# Altium PCB mach PCB.PcbDoc (part 1 of 6) (continued)
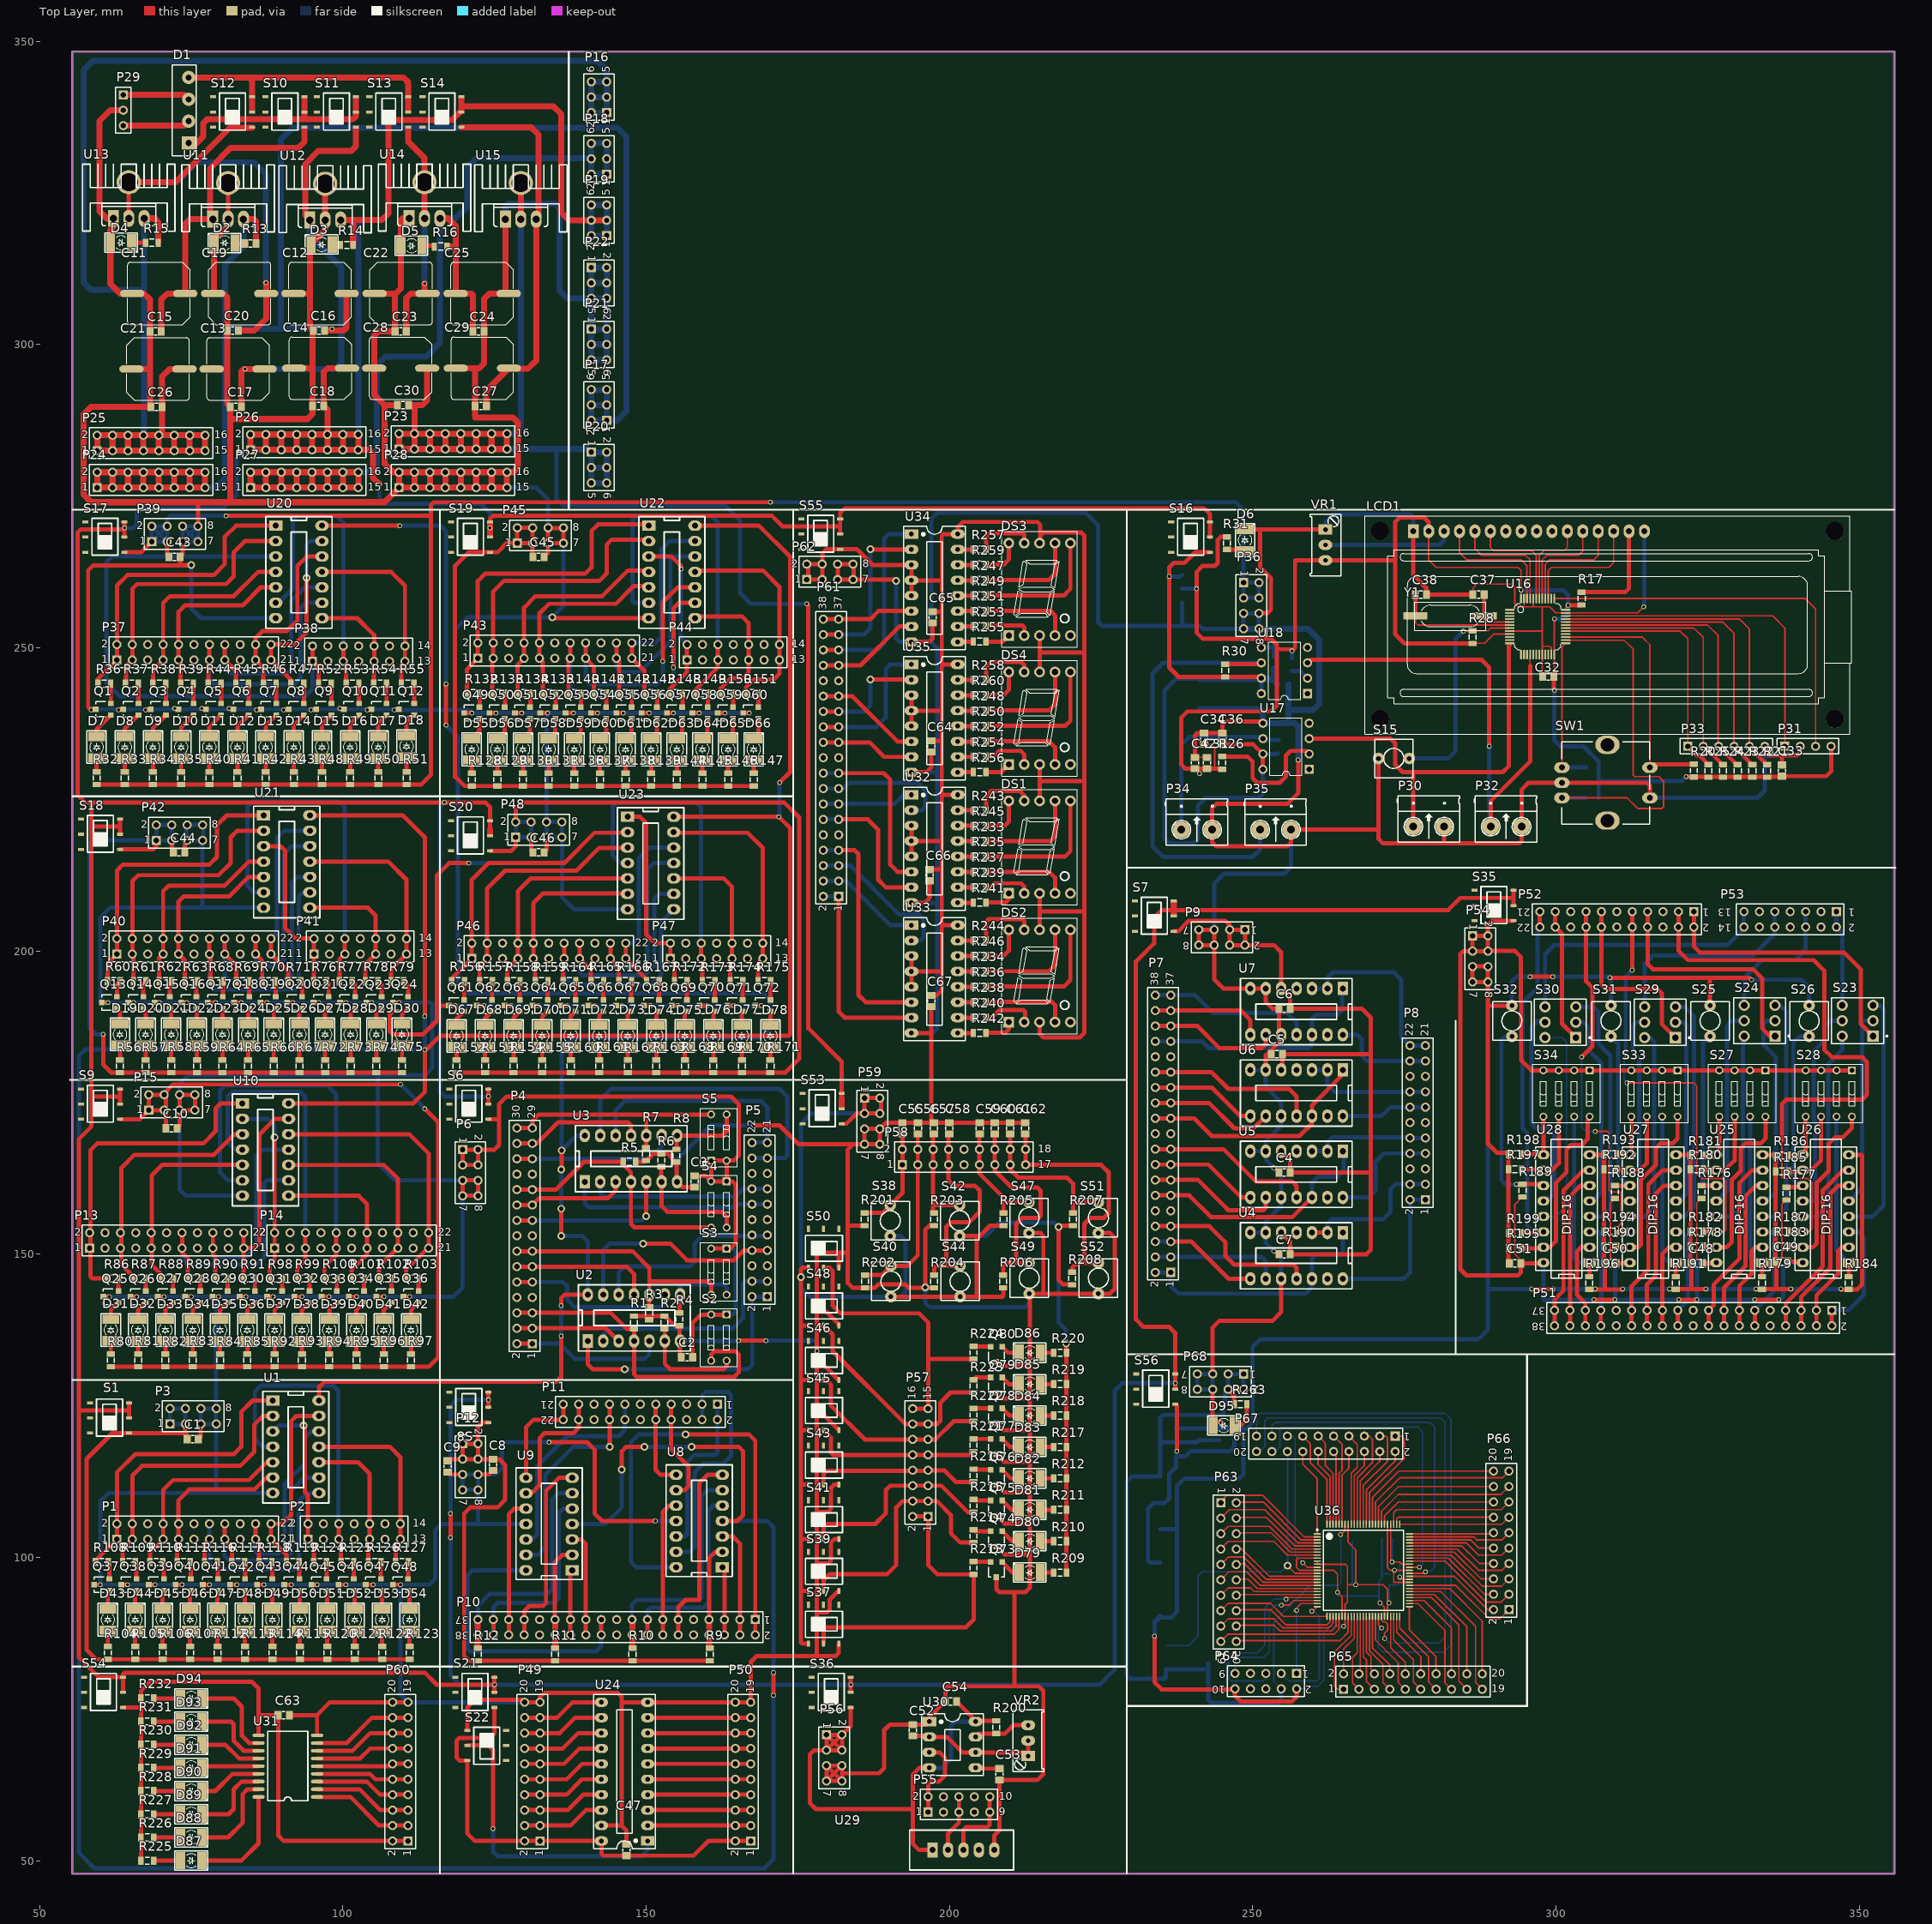
[diagram p0: Top Layer view]
## Components (designator, comment, footprint, x,y, rotation, side; value= is the part's Value field where it differs from the comment) (continued)
P10 "Header 19X2" HDR2X19 168,89.75 r180 top
P11 "Header 11X2" HDR2X11 161.75,125.25 r180 top
P12 "Header 4X2" HDR2X4 119.75,118.75 r270 top
P13 "Header 11X2" HDR2X11 58.25,151 r0 top
P14 "Header 11X2" HDR2X11 88.75,151 r0 top
P15 "Header 4X2" HDR2X4 68,173.75 r0 top
P16 "Header 3X2" HDR2X3 143.5,338.25 r90 top
P17 "Header 3X2" HDR2X3 143.5,287.491 r90 top
P18 "Header 3X2" HDR2X3 143.5,328.098 r90 top
P19 "Header 3X2" HDR2X3 143.5,317.947 r90 top
P20 "Header 3X2" HDR2X3 140.96,282.25 r270 top
P21 "Header 3X2" HDR2X3 140.96,302.553 r270 top
P22 "Header 3X2" HDR2X3 140.96,312.705 r270 top
P23 "Header 8X2" HDR2X8 109.278,282.762 r0 top
P24 "Header 8X2" HDR2X8 59.494,276.412 r0 top
P25 "Header 8X2" HDR2X8 59.494,282.508 r0 top
P26 "Header 8X2" HDR2X8 84.767,282.635 r0 top
P27 "Header 8X2" HDR2X8 84.767,276.412 r0 top
P28 "Header 8X2" HDR2X8 109.278,276.412 r0 top
P29 "H3" HDR1X3 63.812,341.182 r270 top
P30 "KF301" hed2 276.5,220.5 r0 top
P31 "H4" HDR1X4 337.75,233.75 r0 top
P32 "KF301" hed2 289.25,220.5 r0 top
P33 "SW-5Way" HDR1X6 321.75,233.75 r0 top
P34 "KF301" hed2 238.25,220 r0 top
P35 "KF301" hed2 251.25,220 r0 top
P36 "Header 4X2" HDR2X4 248.5,260.75 r270 top
P37 "Header 11X2" HDR2X11 62.75,248 r0 top
P38 "H7X2" HDR2X7 95,247.75 r0 top
P39 "Header 4X2" HDR2X4 68.5,267.5 r0 top
P40 "Header 11X2" HDR2X11 62.75,199.5 r0 top
P41 "H7X2" HDR2X7 95.25,199.5 r0 top
P42 "Header 4X2" HDR2X4 69.25,218.25 r0 top
P43 "Header 11X2" HDR2X11 122.25,248.25 r0 top
P44 "H7X2" HDR2X7 156.75,248 r0 top
P45 "Header 4X2" HDR2X4 128.75,267.25 r0 top
P46 "Header 11X2" HDR2X11 121.25,198.75 r0 top
P47 "H7X2" HDR2X7 154,198.75 r0 top
P48 "Header 4X2" HDR2X4 128.5,218.75 r0 top
P49 "H10X2" HDR2X10 132.5,53.25 r90 top
P50 "H10X2" HDR2X10 167.25,53.25 r90 top
P51 "Header 19X2" HDR2X19 345.5,140.75 r180 top
P52 "Header 11X2" HDR2X11 322.75,206.5 r180 top
P53 "Header 7X2" HDR2X7 346.25,206.5 r180 top
P54 "Header 4X2" HDR2X4 286.25,202.5 r270 top
P55 "Header 5X2" HDR2X5 196.5,58 r0 top
P56 "Header 4X2" HDR2X4 179.75,70.75 r270 top
P57 "Header 8X2" HDR2X8 196.5,106.75 r90 top
P58 "Header 9X2" HDR2X9 192.25,164.75 r0 top
P59 "Header 4X2" HDR2X4 186,175.75 r270 top
P60 "H10X2" HDR2X10 110.75,53.25 r90 top
P61 "Header 19X2" HDR2X19 181.75,209 r90 top
P62 "Header 4X2" HDR2X4 176.5,261.25 r0 top
P63 "H2" HDR2X10 244.75,109 r270 top
P64 "IDE5x2" HDR2X5 257.25,80.88 r180 top
P65 "H2" HDR2X10 265,78.25 r0 top
P66 "H2" HDR2X10 292.25,91.38 r90 top
P67 "H2" HDR2X10 273.5,120 r180 top
P68 "Header 4X2" HDR2X4 248.5,130.25 r180 top
Q1 "C1815-SMD" SOT23-321 60.5,239.859 r90 top
Q2 "C1815-SMD" SOT23-321 65.045,239.859 r90 top
Q3 "C1815-SMD" SOT23-321 69.591,239.859 r90 top
Q4 "C1815-SMD" SOT23-321 74.136,239.859 r90 top
Q5 "C1815-SMD" SOT23-321 78.682,239.859 r90 top
Q6 "C1815-SMD" SOT23-321 83.227,239.859 r90 top
Q7 "C1815-SMD" SOT23-321 87.773,239.859 r90 top
Q8 "C1815-SMD" SOT23-321 92.318,239.859 r90 top
Q9 "C1815-SMD" SOT23-321 96.864,239.859 r90 top
Q10 "C1815-SMD" SOT23-321 101.409,239.859 r90 top
Q11 "C1815-SMD" SOT23-321 105.955,239.859 r90 top
Q12 "C1815-SMD" SOT23-321 110.5,239.859 r90 top
Q13 "C1815-SMD" SOT23-321 61.5,191.5 r90 top
Q14 "C1815-SMD" SOT23-321 65.864,191.5 r90 top
Q15 "C1815-SMD" SOT23-321 70.227,191.5 r90 top
Q16 "C1815-SMD" SOT23-321 74.591,191.5 r90 top
Q17 "C1815-SMD" SOT23-321 78.955,191.5 r90 top
Q18 "C1815-SMD" SOT23-321 83.318,191.5 r90 top
Q19 "C1815-SMD" SOT23-321 87.682,191.5 r90 top
Q20 "C1815-SMD" SOT23-321 92.045,191.5 r90 top
Q21 "C1815-SMD" SOT23-321 96.409,191.5 r90 top
Q22 "C1815-SMD" SOT23-321 100.773,191.5 r90 top
Q23 "C1815-SMD" SOT23-321 105.136,191.5 r90 top
Q24 "C1815-SMD" SOT23-321 109.5,191.5 r90 top
Q25 "C1815-SMD" SOT23-321 61.75,143 r90 top
Q26 "C1815-SMD" SOT23-321 66.25,143 r90 top
Q27 "C1815-SMD" SOT23-321 70.75,143 r90 top
Q28 "C1815-SMD" SOT23-321 75.25,143 r90 top
Q29 "C1815-SMD" SOT23-321 79.75,143 r90 top
Q30 "C1815-SMD" SOT23-321 84.25,143 r90 top
Q31 "C1815-SMD" SOT23-321 88.75,143 r90 top
Q32 "C1815-SMD" SOT23-321 93.25,143 r90 top
Q33 "C1815-SMD" SOT23-321 97.75,143 r90 top
Q34 "C1815-SMD" SOT23-321 102.25,143 r90 top
Q35 "C1815-SMD" SOT23-321 106.75,143 r90 top
Q36 "C1815-SMD" SOT23-321 111.25,143 r90 top
Q37 "C1815-SMD" SOT23-321 60.25,95.5 r90 top
Q38 "C1815-SMD" SOT23-321 64.727,95.5 r90 top
Q39 "C1815-SMD" SOT23-321 69.25,95.5 r90 top
Q40 "C1815-SMD" SOT23-321 73.682,95.5 r90 top
Q41 "C1815-SMD" SOT23-321 78.159,95.5 r90 top
Q42 "C1815-SMD" SOT23-321 82.636,95.5 r90 top
Q43 "C1815-SMD" SOT23-321 87.114,95.5 r90 top
Q44 "C1815-SMD" SOT23-321 91.591,95.5 r90 top
Q45 "C1815-SMD" SOT23-321 96.068,95.5 r90 top
Q46 "C1815-SMD" SOT23-321 100.545,95.5 r90 top
Q47 "C1815-SMD" SOT23-321 105.023,95.5 r90 top
Q48 "C1815-SMD" SOT23-321 109.5,95.5 r90 top
Q49 "C1815-SMD" SOT23-321 121.25,239.25 r90 top
Q50 "C1815-SMD" SOT23-321 125.432,239.25 r90 top
Q51 "C1815-SMD" SOT23-321 129.614,239.25 r90 top
Q52 "C1815-SMD" SOT23-321 133.795,239.25 r90 top
Q53 "C1815-SMD" SOT23-321 137.977,239.25 r90 top
Q54 "C1815-SMD" SOT23-321 142.159,239.25 r90 top
Q55 "C1815-SMD" SOT23-321 146.341,239.25 r90 top
Q56 "C1815-SMD" SOT23-321 150.523,239.25 r90 top
Q57 "C1815-SMD" SOT23-321 154.705,239.25 r90 top
Q58 "C1815-SMD" SOT23-321 158.886,239.25 r90 top
Q59 "C1815-SMD" SOT23-321 163.068,239.25 r90 top
Q60 "C1815-SMD" SOT23-321 167.25,239.25 r90 top
Q61 "C1815-SMD" SOT23-321 118.75,191 r90 top
Q62 "C1815-SMD" SOT23-321 123.341,191 r90 top
Q63 "C1815-SMD" SOT23-321 127.932,191 r90 top
Q64 "C1815-SMD" SOT23-321 132.523,191 r90 top
Q65 "C1815-SMD" SOT23-321 137.114,191 r90 top
Q66 "C1815-SMD" SOT23-321 141.705,191 r90 top
Q67 "C1815-SMD" SOT23-321 146.295,191 r90 top
Q68 "C1815-SMD" SOT23-321 150.886,191 r90 top
Q69 "C1815-SMD" SOT23-321 155.477,191 r90 top
Q70 "C1815-SMD" SOT23-321 160.068,191 r90 top
Q71 "C1815-SMD" SOT23-321 164.659,191 r90 top
Q72 "C1815-SMD" SOT23-321 169.25,191 r90 top
Q73 "C1815-SMD" SOT23-321 207.75,98 r180 top
Q74 "C1815-SMD" SOT23-321 207.75,103.071 r180 top
Q75 "C1815-SMD" SOT23-321 207.75,108.143 r180 top
Q76 "C1815-SMD" SOT23-321 207.75,113.214 r180 top
Q77 "C1815-SMD" SOT23-321 207.75,118.286 r180 top
Q78 "C1815-SMD" SOT23-321 207.75,123.357 r180 top
Q79 "C1815-SMD" SOT23-321 207.75,128.429 r180 top
Q80 "C1815-SMD" SOT23-321 207.75,133.5 r180 top
R1 "10K" r-0805 148,138.75 r270 top
R2 "10K" r-0805 153,138.75 r270 top
R3 "10K" r-0805 150.5,140.25 r90 top
R4 "10K" r-0805 155.5,139.25 r90 top
R5 "10K" r-0805 147.25,165.25 r180 top
R6 "10K" r-0805 152.5,165.5 r270 top
R7 "10K" r-0805 150,166.5 r90 top
R8 "10K" r-0805 155,166.25 r90 top
R9 "10K" r-0805 160.5,84 r270 top
R10 "10K" r-0805 147.75,84 r270 top
R11 "10K" r-0805 135,84 r270 top
R12 "10K" r-0805 122.25,84 r270 top
R13 "332" C-0805 84.767,316.671 r180 top
R14 "331" R-0805 100.642,316.417 r180 top
R15 "332" R-0805 68.511,316.798 r180 top
R16 "331" R-0805 116.136,316.163 r180 top
R17 "220R" r-0805 304.25,258.116 r90 top
R18 "Res1" r-0805 306,225.25 r0 bottom
R19 "Res1" r-0805 306,230.25 r0 bottom
R20 "Res1" r-0805 322.75,229.75 r270 top
R21 "Res1" r-0805 334.8,229.7 r90 top
R22 "Res1" r-0805 332.39,229.7 r90 top
R23 "Res1" r-0805 329.98,229.7 r90 top
R24 "Res1" r-0805 327.57,229.7 r90 top
R25 "Res1" r-0805 325.16,229.7 r90 top
R26 "47R" r-0805 245,231.025 r90 top
R27 "Res1" r-0805 254.25,233.75 r90 bottom
R28 "Res1" r-0805 286.25,251.75 r270 top
R29 "47R" r-0805 256.5,247.25 r270 bottom
R30 "Res1" r-0805 245.5,246.25 r90 top
R31 "331" r-0805 245.75,267.25 r270 top
R32 "330R" R-0805 59.403,228.5 r270 top
R33 "330R" R-0805 64.048,228.5 r270 top
R34 "330R" R-0805 68.693,228.5 r270 top
R35 "330R" R-0805 73.339,228.5 r270 top
R36 "1K" R-0805 60.653,244.066 r180 top
R37 "1K" R-0805 65.202,244.066 r180 top
R38 "1K" R-0805 69.751,244.066 r180 top
R39 "1K" R-0805 74.3,244.066 r180 top
R40 "330R" R-0805 77.984,228.5 r270 top
R41 "330R" R-0805 82.629,228.5 r270 top
R42 "330R" R-0805 87.274,228.5 r270 top
R43 "330R" R-0805 91.919,228.5 r270 top
R44 "1K" R-0805 78.849,244.066 r180 top
R45 "1K" R-0805 83.398,244.066 r180 top
R46 "1K" R-0805 87.946,244.066 r180 top
R47 "1K" R-0805 92.495,244.066 r180 top
R48 "330R" R-0805 96.564,228.5 r270 top
R49 "330R" R-0805 101.21,228.5 r270 top
R50 "330R" R-0805 105.855,228.5 r270 top
R51 "330R" R-0805 110.5,228.5 r270 top
R52 "1K" R-0805 97.044,244.066 r180 top
R53 "1K" R-0805 101.593,244.066 r180 top
R54 "1K" R-0805 106.142,244.066 r180 top
R55 "1K" R-0805 110.691,244.066 r180 top
R56 "330R" R-0805 63.25,181 r270 top
R57 "330R" R-0805 67.477,181 r270 top
R58 "330R" R-0805 71.705,181 r270 top
R59 "330R" R-0805 75.932,181 r270 top
R60 "1K" R-0805 62.25,195 r180 top
R61 "1K" R-0805 66.5,195 r180 top
R62 "1K" R-0805 70.75,195 r180 top
R63 "1K" R-0805 75,195 r180 top
R64 "330R" R-0805 80.159,181 r270 top
R65 "330R" R-0805 84.386,181 r270 top
R66 "330R" R-0805 88.614,181 r270 top
R67 "330R" R-0805 92.841,181 r270 top
R68 "1K" R-0805 79.25,195 r180 top
R69 "1K" R-0805 83.5,195 r180 top
R70 "1K" R-0805 87.75,195 r180 top
R71 "1K" R-0805 92,195 r180 top
R72 "330R" R-0805 97.068,181 r270 top
R73 "330R" R-0805 101.295,181 r270 top
R74 "330R" R-0805 105.523,181 r270 top
R75 "330R" R-0805 109.75,181 r270 top
R76 "1K" R-0805 96.25,195 r180 top
R77 "1K" R-0805 100.5,195 r180 top
R78 "1K" R-0805 104.75,195 r180 top
R79 "1K" R-0805 109,195 r180 top
R80 "330R" R-0805 61.75,132.5 r270 top
R81 "330R" R-0805 66.25,132.5 r270 top
R82 "330R" R-0805 70.75,132.5 r270 top
R83 "330R" R-0805 75.25,132.5 r270 top
R84 "330R" R-0805 79.75,132.5 r270 top
R85 "330R" R-0805 84.25,132.5 r270 top
R86 "1K" R-0805 62,146 r180 top
R87 "1K" R-0805 66.5,146 r180 top
R88 "1K" R-0805 71,146 r180 top
R89 "1K" R-0805 75.5,146 r180 top
R90 "1K" R-0805 80,146 r180 top
R91 "1K" R-0805 84.5,146 r180 top
R92 "330R" R-0805 88.75,132.5 r270 top
R93 "330R" R-0805 93.25,132.5 r270 top
R94 "330R" R-0805 97.75,132.5 r270 top
R95 "330R" R-0805 102.25,132.5 r270 top
R96 "330R" R-0805 106.75,132.5 r270 top
R97 "330R" R-0805 111.25,132.5 r270 top
R98 "1K" R-0805 89,146 r180 top
R99 "1K" R-0805 93.5,146 r180 top
R100 "1K" R-0805 98,146 r180 top
R101 "1K" R-0805 102.5,146 r180 top
R102 "1K" R-0805 107,146 r180 top
R103 "1K" R-0805 111.5,146 r180 top
R104 "330R" R-0805 61.25,84.25 r270 top
R105 "330R" R-0805 65.773,84.25 r270 top
R106 "330R" R-0805 70.295,84.25 r270 top
R107 "330R" R-0805 74.818,84.25 r270 top
R108 "1K" R-0805 60.25,99.25 r180 top
R109 "1K" R-0805 64.75,99.25 r180 top
R110 "1K" R-0805 69.25,99.25 r180 top
R111 "1K" R-0805 73.75,99.25 r180 top
R112 "330R" R-0805 79.341,84.25 r270 top
R113 "330R" R-0805 83.864,84.25 r270 top
R114 "330R" R-0805 88.386,84.25 r270 top
R115 "330R" R-0805 92.909,84.25 r270 top
R116 "1K" R-0805 78.25,99.25 r180 top
R117 "1K" R-0805 82.75,99.25 r180 top
R118 "1K" R-0805 87.25,99.25 r180 top
R119 "1K" R-0805 91.75,99.25 r180 top
R120 "330R" R-0805 97.432,84.25 r270 top
R121 "330R" R-0805 101.955,84.25 r270 top
R122 "330R" R-0805 106.477,84.25 r270 top
R123 "330R" R-0805 111,84.25 r270 top
R124 "1K" R-0805 96.25,99.25 r180 top
R125 "1K" R-0805 100.75,99.25 r180 top
R126 "1K" R-0805 105.25,99.25 r180 top
R127 "1K" R-0805 109.75,99.25 r180 top
R128 "330R" R-0805 121.25,228.25 r270 top
R129 "330R" R-0805 125.477,228.25 r270 top
R130 "330R" R-0805 129.705,228.25 r270 top
R131 "330R" R-0805 133.932,228.25 r270 top
R132 "1K" R-0805 121.5,242.5 r180 top
R133 "1K" R-0805 125.682,242.5 r180 top
R134 "1K" R-0805 129.864,242.5 r180 top
R135 "1K" R-0805 134.045,242.5 r180 top
R136 "330R" R-0805 138.159,228.25 r270 top
R137 "330R" R-0805 142.386,228.25 r270 top
R138 "330R" R-0805 146.614,228.25 r270 top
R139 "330R" R-0805 150.841,228.25 r270 top
R140 "1K" R-0805 138.227,242.5 r180 top
R141 "1K" R-0805 142.409,242.5 r180 top
R142 "1K" R-0805 146.591,242.5 r180 top
R143 "1K" R-0805 150.773,242.5 r180 top
R144 "330R" R-0805 155.068,228.25 r270 top
R145 "330R" R-0805 159.295,228.25 r270 top
R146 "330R" R-0805 163.523,228.25 r270 top
R147 "330R" R-0805 167.75,228.25 r270 top
R148 "1K" R-0805 154.955,242.5 r180 top
R149 "1K" R-0805 159.136,242.5 r180 top
R150 "1K" R-0805 163.318,242.5 r180 top
R151 "1K" R-0805 167.5,242.5 r180 top
R152 "330R" R-0805 118.75,181 r270 top
R153 "330R" R-0805 123.455,181 r270 top
R154 "330R" R-0805 128.159,181 r270 top
R155 "330R" R-0805 132.864,181 r270 top
R156 "1K" R-0805 119,195 r180 top
R157 "1K" R-0805 123.591,195 r180 top
R158 "1K" R-0805 128.182,195 r180 top
R159 "1K" R-0805 132.773,195 r180 top
R160 "330R" R-0805 137.568,181 r270 top
R161 "330R" R-0805 142.273,181 r270 top
R162 "330R" R-0805 146.977,181 r270 top
R163 "330R" R-0805 151.682,181 r270 top
R164 "1K" R-0805 137.364,195 r180 top
R165 "1K" R-0805 141.955,195 r180 top
R166 "1K" R-0805 146.545,195 r180 top
R167 "1K" R-0805 151.136,195 r180 top
R168 "330R" R-0805 156.386,181 r270 top
R169 "330R" R-0805 161.091,181 r270 top
R170 "330R" R-0805 165.795,181 r270 top
R171 "330R" R-0805 170.5,181 r270 top
R172 "1K" R-0805 155.727,195 r180 top
R173 "1K" R-0805 160.318,195 r180 top
R174 "1K" R-0805 164.909,195 r180 top
R175 "1K" R-0805 169.5,195 r180 top
R176 "10K" r-0805 324,160.25 r270 top
R177 "10K" r-0805 338,160 r270 top
R178 "103" r-0805 323.225,151.25 r0 top
R179 "103" r-0805 334,145.25 r90 top
R180 "103" r-0805 323.225,164 r0 top
R181 "10K" r-0805 323.225,166.25 r0 top
R182 "10K" r-0805 323.225,153.75 r0 top
R183 "103" r-0805 337.275,151.27 r0 top
R184 "103" r-0805 348.25,145.25 r90 top
R185 "103" r-0805 337.275,163.625 r0 top
R186 "10K" r-0805 337.275,166.25 r0 top
R187 "10K" r-0805 337.275,153.75 r0 top
R188 "10K" r-0805 309.75,160.25 r270 top
R189 "10K" r-0805 294.5,160.5 r270 top
R190 "103" r-0805 308.975,151.25 r0 top
R191 "103" r-0805 319.75,145.25 r90 top
R192 "103" r-0805 308.975,164 r0 top
R193 "10K" r-0805 308.975,166.5 r0 top
R194 "10K" r-0805 308.975,153.75 r0 top
R195 "103" r-0805 293.25,150.98 r0 top
R196 "103" r-0805 305.5,145.25 r90 top
R197 "103" r-0805 293.25,164 r0 top
R198 "10K" r-0805 293.25,166.5 r0 top
R199 "10K" r-0805 293.25,153.5 r0 top
R200 "562" R-0805 207.75,72 r90 top
R201 "10K" r-0805 186,155.75 r90 top
R202 "10K" r-0805 186.107,145.5 r90 top
R203 "10K" r-0805 197.464,155.75 r90 top
R204 "10K" r-0805 197.488,145.5 r90 top
R205 "10K" r-0805 208.929,155.75 r270 top
R206 "10K" r-0805 208.869,145.5 r270 top
R207 "10K" r-0805 220.393,155.75 r270 top
R208 "10K" r-0805 220.25,146 r270 top
R209 "221" R-0805 218.25,97.5 r0 top
R210 "221" R-0805 218.25,102.679 r0 top
R211 "221" R-0805 218.25,107.857 r0 top
R212 "221" R-0805 218.25,113.036 r0 top
R213 "1K" R-0805 204,98.25 r270 top
R214 "1K" R-0805 204,103.5 r270 top
R215 "1K" R-0805 204,108.5 r270 top
R216 "1K" R-0805 204,113.5 r270 top
R217 "221" R-0805 218.25,118.214 r0 top
R218 "221" R-0805 218.25,123.393 r0 top
R219 "221" R-0805 218.25,128.571 r0 top
R220 "221" R-0805 218.25,133.75 r0 top
R221 "1K" R-0805 204,118.5 r270 top
R222 "1K" R-0805 204,123.5 r270 top
R223 "1K" R-0805 204,128.25 r270 top
R224 "1K" R-0805 204,133.75 r270 top
R225 "330R" R-0805 67.75,50 r180 top
R226 "330R" R-0805 67.75,53.821 r180 top
R227 "330R" R-0805 67.75,57.643 r180 top
R228 "330R" R-0805 67.75,61.464 r180 top
R229 "330R" R-0805 67.75,65.286 r180 top
R230 "330R" R-0805 67.75,69.107 r180 top
R231 "330R" R-0805 67.75,72.929 r180 top
R232 "330R" R-0805 67.75,76.75 r180 top
R233 "220R" r-0805 205,218.12 r0 top
R234 "220R" r-0805 205,196.667 r0 top
R235 "220R" r-0805 205,215.59 r0 top
R236 "220R" r-0805 205,194.125 r0 top
R237 "220R" r-0805 205,213.06 r0 top
R238 "220R" r-0805 205,191.583 r0 top
R239 "220R" r-0805 205,210.53 r0 top
R240 "220R" r-0805 205,189.042 r0 top
R241 "220R" r-0805 205,208 r0 top
R242 "220R" r-0805 205,186.5 r0 top
R243 "220R" r-0805 205,223.18 r0 top
R244 "220R" r-0805 205,201.75 r0 top
R245 "220R" r-0805 205,220.65 r0 top
R246 "220R" r-0805 205,199.208 r0 top
R247 "220R" r-0805 205,261.167 r0 top
R248 "220R" r-0805 205,239.667 r0 top
R249 "220R" r-0805 205,258.625 r0 top
R250 "220R" r-0805 205,237.125 r0 top
R251 "220R" r-0805 205,256.083 r0 top
R252 "220R" r-0805 205,234.583 r0 top
R253 "220R" r-0805 205,253.542 r0 top
R254 "220R" r-0805 205,232.042 r0 top
R255 "220R" r-0805 205,251 r0 top
R256 "220R" r-0805 205,229.5 r0 top
R257 "220R" r-0805 205,266.25 r0 top
R258 "220R" r-0805 205,244.75 r0 top
R259 "220R" r-0805 205,263.708 r0 top
R260 "220R" r-0805 205,242.208 r0 top
R261 "10K" r-0805 243.75,82.5 r0 bottom
R262 "1K" r-0805 259.75,79.75 r270 bottom
R263 "331" r-0805 248,125.25 r0 top
S1 "SW-SPDT" SW-DIP1SMD 65,120.5 r180 top
S2 "SW DIP-2" sw-dip2 162,136.25 r180 top
S3 "SW DIP-2" sw-dip2 162,147.12 r180 top
S4 "SW DIP-2" sw-dip2 162,158.203 r180 top
S5 "SW DIP-2" sw-dip2 162,169.25 r0 top
S6 "SW-SPDT" SW-DIP1SMD 124.25,172.25 r180 top
S7 "SW-SPDT" SW-DIP1SMD 237.25,203.25 r180 top
S8 "SW-SPDT" SW-DIP1SMD 124.25,122.25 r180 top
S9 "SW-SPDT" SW-DIP1SMD 63.5,172.25 r180 top
S10 "SW-SPDT" SW-DIP1SMD 93.911,335.848 r180 top
S11 "SW-SPDT" SW-DIP1SMD 102.42,335.848 r180 top
S12 "SW-SPDT" SW-DIP1SMD 85.275,335.848 r180 top
S13 "SW-SPDT" SW-DIP1SMD 111.056,335.848 r180 top
S14 "SW-SPDT" SW-DIP1SMD 119.819,335.848 r180 top
S15 "SW-S6" sw2 270.75,231.75 r0 top
S16 "SW-SPDT" SW-DIP1SMD 243.25,265.75 r180 top
S17 "SW-SPDT" SW-DIP1SMD 64.25,265.75 r180 top
S18 "SW-SPDT" SW-DIP1SMD 63.5,216.75 r180 top
S19 "SW-SPDT" SW-DIP1SMD 124.5,265.75 r180 top
S20 "SW-SPDT" SW-DIP1SMD 124.5,216.5 r180 top
S21 "SW-SPDT" SW-DIP1SMD 125.25,75.25 r180 top
S22 "SW-SPDT" SW-DIP1SMD 120.25,71.5 r0 top
S23 "SW-DPDT" DPDT-6 349.75,188.5 r180 top
S24 "SW-DPDT" DPDT-6 333.583,188.5 r180 top
S25 "SW-PB" SW2 325.417,191 r270 top
S26 "SW-PB" SW2 341.75,191 r270 top
S27 "SW DIP-4" SW-DIP4 330.75,176.5 r180 top
S28 "SW DIP-4" SW-DIP4 345,176.5 r180 top
S29 "SW-DPDT" DPDT-6 317.167,188.25 r180 top
S30 "SW-DPDT" DPDT-6 300.75,188.25 r180 top
S31 "SW-PB" SW2 309.083,191 r270 top
S32 "SW-PB" SW2 292.75,191 r270 top
S33 "SW DIP-4" SW-DIP4 316.25,176.5 r180 top
S34 "SW DIP-4" SW-DIP4 301.75,176.5 r180 top
S35 "SW-SPDT" SW-DIP1SMD 293.25,205 r180 top
S36 "SW-SPDT" SW-DIP1SMD 184,75.25 r180 top
S37 "SW-SPDT" SW-DIP1SMD 176.75,85.5 r90 top
S38 "SW2" sw2 190.25,153 r90 top
S39 "SW-SPDT" SW-DIP1SMD 176.75,94.25 r90 top
S40 "SW2" sw2 190.357,143 r90 top
S41 "SW-SPDT" SW-DIP1SMD 176.75,102.75 r90 top
S42 "SW2" sw2 201.69,153 r90 top
S43 "SW-SPDT" SW-DIP1SMD 176.75,111.75 r90 top
S44 "SW2" sw2 201.762,143 r90 top
S45 "SW-SPDT" SW-DIP1SMD 176.75,120.75 r90 top
S46 "SW-SPDT" SW-DIP1SMD 176.75,129 r90 top
S47 "SW2" sw2 213.131,158.563 r270 top
S48 "SW-SPDT" SW-DIP1SMD 176.75,138 r90 top
S49 "SW2" sw2 213.167,148.563 r270 top
S50 "SW-SPDT" SW-DIP1SMD 176.75,147.5 r90 top
S51 "SW2" sw2 224.571,158.563 r270 top
S52 "SW2" sw2 224.571,148.563 r270 top
S53 "SW-SPDT" SW-DIP1SMD 182.5,171.5 r180 top
S54 "SW-SPDT" SW-DIP1SMD 64,75.25 r180 top
S55 "SW-SPDT" sW-DIP1SMD 182.25,266.25 r180 top
S56 "SW-SPDT" SW-DIP1SMD 237.5,125.25 r180 top
SW1 "EC11" SW-ENCODER 301,227.75 r270 top
U1 "CD4030CN" SK-DIP14-300 92.25,118.25 r270 top
U2 "CD4013BCN" SK-DIP14-300 148,139.5 r0 top
U3 "CD4013BCN" SK-DIP14-300 147.5,165.75 r0 top
U4 "DM74LS90N" SK-DIP14-300 257.25,149.75 r180 top
U5 "DM74LS90N" SK-DIP14-300 257.25,163.167 r180 top
U6 "DM74LS90N" SK-DIP14-300 257.25,176.583 r180 top
U7 "DM74LS90N" SK-DIP14-300 257.25,190 r180 top
U8 "DM74LS73AN" SK-DIP14-300 158.75,106 r90 top
U9 "DM74LS73AN" SK-DIP14-300 134,105.5 r90 top
U10 "SN74HC04N" SK-DIP14-300 87.25,167.25 r270 top
U11 "78M12" TO-220-2PC 81.084,323.656 r0 top
U12 "78M05" TO-220-2PC 97.086,323.529 r0 top
U13 "LM7912CT" TO-220-2PC 64.701,323.783 r0 top
U14 "LM7905CT" TO-220-2PC 113.469,323.783 r0 top
U15 "LM1117-3.3" TO-220-2PC 129.344,323.656 r0 top
U16 "STM32F103C8T6" LQFP-48 297,253.5 r270 top
U17 "OPTO 6N137" DIP8-300 255.5,233.75 r180 top
U18 "OPTO 6N137" DIP8-300 255.25,246.25 r180 top
U19 "LM1117-3.3" sot223 241.25,259.75 r90 bottom
U20 "MC74HC08AN" SK-DIP14-300 92.75,262.5 r270 top
U21 "SN74HC32N" SK-DIP14-300 90.75,214.75 r270 top
U22 "SN74HC00N" SK-DIP14-300 154.25,262.5 r270 top
U23 "SN74HC02N" SK-DIP14-300 150.75,214.5 r270 top
U24 "74245" DIP20/W0.3 150.25,53.25 r90 top
U25 "SN74LS192N" DIP16 330.25,157.5 r90 top
U26 "SN74LS192N" DIP16 344.5,157.5 r90 top
U27 "SN74LS192N" DIP16 316,157.5 r90 top
U28 "SN74LS192N" DIP16 301.75,157.5 r90 top
U29 "HY-SRF05" SRF-05 197.25,51.75 r0 top
U30 "NE555D" DIP8 200.5,69.25 r270 top
U31 "ULN2803LW" sop-18 95.75,60.5 r180 top
U32 "DM74LS47N" DIP16/W0.3 193.75,225.75 r270 top
U33 "DM74LS47N" DIP16/W0.3 193.75,204.25 r270 top
U34 "DM74LS47N" DIP16/W0.3 193.75,268.75 r270 top
U35 "DM74LS47N" DIP16/W0.3 193.75,247.25 r270 top
U36 "EPM240T100C5N" TQFP100L 268.25,97.88 r0 top
U37 "LM1117-3.3" sot223 234.5,119 r270 bottom
VR1 "10K" VR1 262,269.5 r270 top
VR2 "50K" VR1 213,67.25 r90 top
Y1 "8MHz" XTAL-RU49/4 287.5,255.25 r180 top
Y2 "50MHz" xt5032 234.75,83.5 r90 bottom

## Footprints (in the part's own frame and the unit in brackets; to place one, negate y for a bottom-side part, rotate by r counter-clockwise, add the part's x,y. Pads: shape width x height; smd on the part's side, far side on the other; paste and mask are expansions set on the pad)
C-0805 [mm] "Chip Capacitor, 2-Leads, Body 2.0x1.3mm, IPC Medium Density"
  rect 1.15x1.4 smd: 1(-0.925,0) 2(0.925,0)
  silkscreen extent -0.22,-0.6 0.23,0.6, body extent -1,-0.63 1,0.63, height 0.5
c-0805 [mm] "Chip Capacitor, 2-Leads, Body 2.0x1.3mm, IPC Medium Density"
  rect 1.15x1.4 smd: 1(-0.925,0) 2(0.925,0)
  silkscreen extent -0.22,-0.6 0.23,0.6, body extent -1,-0.63 1,0.63, height 0.5
C-ALU-10x10mm [mm] "C-10x10mm"
  oval 1.2x4 smd: 1(0,-4.374) 2(0,4.374)
  silkscreen extent -5.15,-5.15 5.15,5.15, body extent -5.15,-5.65 5.15,5.65, height 10.01
D-DB-3A [mm] "KBP307"
  rect 2.2x2.2 hole 1: 1(-5.4,-0.73)
  round 2.2 hole 1: 2(-1.8,-0.73) 3(1.8,-0.73) 4(5.4,-0.73)
  silkscreen extent -7.5,-2 7.5,2, body extent -7.5,-2 7.5,2, height 12.68
DIP8 [mil] "DIP, 8-Leads, Row Spacing 7.62mm, Pitch 2.54mm, Body 9.91x6.73mm"
  rect 60x90 hole 31: 1(-145,-150)
  oval 60x90 hole 31: 2(-45,-150) 3(55,-150) 4(155,-150) 5(155,150) 6(55,150) 7(-45,150) 8(-145,150)
  silkscreen extent -195,-200 205,200, body extent -213,-153 213,153, height 177
DIP8-300 [mm] "DIP, 8-Pin, Row Spacing 7.62 mm, Pitch 2.54 mm"
  rect 1.5x1.5 hole 0.9: 1(-3.81,3.81)
  round 1.5 hole 0.9: 2(-3.81,1.27) 3(-3.81,-1.27) 4(-3.81,-3.81) 5(3.81,-3.81) 6(3.81,-1.27) 7(3.81,1.27) 8(3.81,3.81)
  silkscreen extent -2.65,-4.7 2.65,4.77, body extent -3.96,-4.73 3.96,4.73, height 3.68
DIP16 [mm]
  rect 1.5x2 hole 0.864: 1(-8.897,-3.812)
  oval 1.5x2 hole 0.864: 2(-6.357,-3.812) 3(-3.817,-3.812) 4(-1.277,-3.812) 5(1.263,-3.812) 6(3.803,-3.812) 7(6.343,-3.812) 8(8.883,-3.812) 9(8.883,3.808) 10(6.343,3.808) 11(3.803,3.808) 12(1.263,3.808) 13(-1.277,3.808) 14(-3.817,3.808) 15(-6.357,3.808) 16(-8.897,3.808)
  silkscreen extent -11.44,-5.08 11.42,5.08, body extent -10,-3.93 10,3.94, height 1.99
DIP16/W0.3 [mil] "16 PIN, W 300mil, Pin to pin 100mil"
  rect 60x90 hole 31: 1(0,0)
  oval 60x90 hole 31: 2(100,0) 3(200,0) 4(300,0) 5(400,0) 6(500,0) 7(600,0) 8(700,0) 9(700,300) 10(600,300) 11(500,300) 12(400,300) 13(300,300) 14(200,300) 15(100,300) 16(0,300)
  silkscreen extent -50,-50 750,350, body extent -52,-53 752,360, height 317
DIP20/W0.3 [mil] "DIP 20, 20 PIN, W 300mil, Pin to pin 100mil"
  rect 60x85 hole 31: 1(0,0)
  oval 60x85 hole 31: 2(100,0) 3(200,0) 4(300,0) 5(400,0) 6(500,0) 7(600,0) 8(700,0) 9(800,0) 10(900,0) 11(900,300) 12(800,300) 13(700,300) 14(600,300) 15(500,300) 16(400,300) 17(300,300) 18(200,300) 19(100,300) 20(0,300)
  silkscreen extent -50,-50 950,350, body extent -90,-20 946,320, height 155
DPDT-6 [mm] "Switch; 6 Leads"
  rect 1.85x1.85 hole 1.1: 1(-2.54,2.54)
  round 1.85 hole 1.1: 2(-2.54,0) 3(-2.54,-2.54) 4(2.54,-2.54) 5(2.54,0) 6(2.54,2.54)
  silkscreen extent -4.96,-3.81 4.28,3.81
HDR1X3 [mm] "Connector; Header; 3 Position"
  rect 1.5x1.5 hole 0.9: 1(0,0)
  round 1.5 hole 0.9: 2(2.54,0) 3(5.08,0)
  silkscreen extent -1.27,-1.27 6.35,1.27
HDR1X4 [mm] "Connector; Header; 4 Position"
  rect 1.5x1.5 hole 0.9: 1(0,0)
  round 1.5 hole 0.9: 2(2.54,0) 3(5.08,0) 4(7.62,0)
  silkscreen extent -1.27,-1.27 8.89,1.27
HDR1X6 [mm] "Connector; Header; 6 Position"
  rect 1.5x1.5 hole 0.9: 1(0,0)
  round 1.5 hole 0.9: 2(2.54,0) 3(5.08,0) 4(7.62,0) 5(10.16,0) 6(12.7,0)
  silkscreen extent -1.27,-1.27 13.97,1.27
HDR2X3 [mm] "Connector; Header; 3x2 Position"
  rect 1.5x1.5 hole 0.9: 1(0,0)
  round 1.5 hole 0.9: 2(0,2.54) 3(2.54,0) 4(2.54,2.54) 5(5.08,0) 6(5.08,2.54)
  silkscreen extent -1.27,-1.27 6.35,3.81
HDR2X4 [mm] "Connector; Header; 4x2 Position"
  rect 1.5x1.5 hole 0.9: 1(0,0)
  round 1.5 hole 0.9: 2(0,2.54) 3(2.54,0) 4(2.54,2.54) 5(5.08,0) 6(5.08,2.54) 7(7.62,0) 8(7.62,2.54)
  silkscreen extent -1.27,-1.27 8.89,3.81
HDR2X5 [mm] "Connector; Header; 5x2 Position"
  rect 1.5x1.5 hole 0.9: 1(0,0)
  round 1.5 hole 0.9: 2(0,2.54) 3(2.54,0) 4(2.54,2.54) 5(5.08,0) 6(5.08,2.54) 7(7.62,0) 8(7.62,2.54) 9(10.16,0) 10(10.16,2.54)
  silkscreen extent -1.27,-1.27 11.43,3.81
HDR2X7 [mm] "Connector; Header; 7x2 Position"
  rect 1.5x1.5 hole 0.9: 1(0,0)
  round 1.5 hole 0.9: 2(0,2.54) 3(2.54,0) 4(2.54,2.54) 5(5.08,0) 6(5.08,2.54) 7(7.62,0) 8(7.62,2.54) 9(10.16,0) 10(10.16,2.54) 11(12.7,0) 12(12.7,2.54) 13(15.24,0) 14(15.24,2.54)
  silkscreen extent -1.27,-1.27 16.51,3.81
HDR2X8 [mm] "Connector; Header; 8x2 Position"
  rect 1.5x1.5 hole 0.9: 1(0,0)
  round 1.5 hole 0.9: 2(0,2.54) 3(2.54,0) 4(2.54,2.54) 5(5.08,0) 6(5.08,2.54) 7(7.62,0) 8(7.62,2.54) 9(10.16,0) 10(10.16,2.54) 11(12.7,0) 12(12.7,2.54) 13(15.24,0) 14(15.24,2.54) 15(17.78,0) 16(17.78,2.54)
  silkscreen extent -1.27,-1.27 19.05,3.81
HDR2X9 [mm] "Connector; Header; 9x2 Position"
  rect 1.5x1.5 hole 0.9: 1(0,0)
  round 1.5 hole 0.9: 2(0,2.54) 3(2.54,0) 4(2.54,2.54) 5(5.08,0) 6(5.08,2.54) 7(7.62,0) 8(7.62,2.54) 9(10.16,0) 10(10.16,2.54) 11(12.7,0) 12(12.7,2.54) 13(15.24,0) 14(15.24,2.54) 15(17.78,0) 16(17.78,2.54) 17(20.32,0) 18(20.32,2.54)
  silkscreen extent -1.27,-1.27 21.59,3.81
HDR2X10 [mm] "Connector; Header; 10x2 Position"
  rect 1.5x1.5 hole 0.9: 1(0,0)
  round 1.5 hole 0.9: 2(0,2.54) 3(2.54,0) 4(2.54,2.54) 5(5.08,0) 6(5.08,2.54) 7(7.62,0) 8(7.62,2.54) 9(10.16,0) 10(10.16,2.54) 11(12.7,0) 12(12.7,2.54) 13(15.24,0) 14(15.24,2.54) 15(17.78,0) 16(17.78,2.54) 17(20.32,0) 18(20.32,2.54) 19(22.86,0) 20(22.86,2.54)
  silkscreen extent -1.27,-1.27 24.13,3.81
HDR2X11 [mm] "Connector; Header; 11x2 Position"
  rect 1.5x1.5 hole 0.9: 1(0,0)
  round 1.5 hole 0.9: 2(0,2.54) 3(2.54,0) 4(2.54,2.54) 5(5.08,0) 6(5.08,2.54) 7(7.62,0) 8(7.62,2.54) 9(10.16,0) 10(10.16,2.54) 11(12.7,0) 12(12.7,2.54) 13(15.24,0) 14(15.24,2.54) 15(17.78,0) 16(17.78,2.54) 17(20.32,0) 18(20.32,2.54) 19(22.86,0) 20(22.86,2.54) 21(25.4,0) 22(25.4,2.54)
  silkscreen extent -1.27,-1.27 26.67,3.81
HDR2X15 [mm] "Connector; Header; 15x2 Position"
  rect 1.5x1.5 hole 0.9: 1(0,0)
  round 1.5 hole 0.9: 2(0,2.54) 3(2.54,0) 4(2.54,2.54) 5(5.08,0) 6(5.08,2.54) 7(7.62,0) 8(7.62,2.54) 9(10.16,0) 10(10.16,2.54) 11(12.7,0) 12(12.7,2.54) 13(15.24,0) 14(15.24,2.54) 15(17.78,0) 16(17.78,2.54) 17(20.32,0) 18(20.32,2.54) 19(22.86,0) 20(22.86,2.54) 21(25.4,0) 22(25.4,2.54) 23(27.94,0) 24(27.94,2.54) 25(30.48,0) 26(30.48,2.54) 27(33.02,0) 28(33.02,2.54) 29(35.56,0) 30(35.56,2.54)
  silkscreen extent -1.27,-1.27 36.83,3.81
HDR2X19 [mm] "Connector; Header; 19x2 Position"
  rect 1.5x1.5 hole 0.9: 1(0,0)
  round 1.5 hole 0.9: 2(0,2.54) 3(2.54,0) 4(2.54,2.54) 5(5.08,0) 6(5.08,2.54) 7(7.62,0) 8(7.62,2.54) 9(10.16,0) 10(10.16,2.54) 11(12.7,0) 12(12.7,2.54) 13(15.24,0) 14(15.24,2.54) 15(17.78,0) 16(17.78,2.54) 17(20.32,0) 18(20.32,2.54) 19(22.86,0) 20(22.86,2.54) 21(25.4,0) 22(25.4,2.54) 23(27.94,0) 24(27.94,2.54) 25(30.48,0) 26(30.48,2.54) 27(33.02,0) 28(33.02,2.54) 29(35.56,0) 30(35.56,2.54) 31(38.1,0) 32(38.1,2.54) 33(40.64,0) 34(40.64,2.54) 35(43.18,0) 36(43.18,2.54) 37(45.72,0) 38(45.72,2.54)
  silkscreen extent -1.27,-1.27 46.99,3.81
hed2 [mil] "Header 2, 2 pin, hight 300mil, Pin to Pin 200, Colour Green"
  round 110 hole 50: 1(0,0) 2(200,0)
  silkscreen extent -106,-100 300,200, body extent -92,-90 302,205, height 394
LCD-1602A [mm]
  rect 1.8x2.25 hole 1: 1(-32,15.47)
  oval 1.8x2.25 hole 1: 2(-29.46,15.47) 3(-26.92,15.47) 4(-24.38,15.47) 5(-21.84,15.47) 6(-19.3,15.47) 7(-16.76,15.47) 8(-14.22,15.47) 9(-11.68,15.47) 10(-9.14,15.47) 11(-6.6,15.47) 12(-4.06,15.47) 13(-1.52,15.47) 14(1.02,15.47) 15(3.56,15.47) 16(6.1,15.47)
  round 3 hole 3: HM1(-37.5,-15.5) HM2(37.5,-15.5) HM3(37.5,15.5) HM4(-37.5,15.5)
  silkscreen extent -40,-18 40.25,18, body extent -40,-18 40.25,18, height 12.4
LED7SEG-1-0.56 [mil]
  rect 70x70 hole 40: 1(-195,-275)
  round 70 hole 40: 2(-95,-275) 3(5,-275) 4(105,-275) 5(205,-275) 6(205,325) 7(105,325) 8(5,325) 9(-95,325) 10(-195,325)
  silkscreen extent -239,-350 249,400, body extent -241,-349 251,399, height 315
LED-3528 [mm] "3.5mm - 2.8mm"
  rect 1.524x2.8 smd: 1(-1.75,0) 2(1.75,0)
  silkscreen extent -2.7,-1.6 2.7,1.6, body extent -1.88,-1.5 1.88,1.5, height 2.1
LQFP-48 [mm]
  oval 0.3x1.6 smd: 1(-2.75,-4.616) 2(-2.25,-4.616) 3(-1.75,-4.616) 4(-1.25,-4.616) 5(-0.75,-4.616) 6(-0.25,-4.616) 7(0.25,-4.616) 8(0.75,-4.616) 9(1.25,-4.616) 10(1.75,-4.616) 11(2.25,-4.616) 12(2.75,-4.616) 25(2.75,4.616) 26(2.25,4.616) 27(1.75,4.616) 28(1.25,4.616) 29(0.75,4.616) 30(0.25,4.616) 31(-0.25,4.616) 32(-0.75,4.616) 33(-1.25,4.616) 34(-1.75,4.616) 35(-2.25,4.616) 36(-2.75,4.616)
  oval 1.6x0.3 smd: 13(4.616,-2.75) 14(4.616,-2.25) 15(4.616,-1.75) 16(4.616,-1.25) 17(4.616,-0.75) 18(4.616,-0.25) 19(4.616,0.25) 20(4.616,0.75) 21(4.616,1.25) 22(4.616,1.75) 23(4.616,2.25) 24(4.616,2.75) 37(-4.616,2.75) 38(-4.616,2.25) 39(-4.616,1.75) 40(-4.616,1.25) 41(-4.616,0.75) 42(-4.616,0.25) 43(-4.616,-0.25) 44(-4.616,-0.75) 45(-4.616,-1.25) 46(-4.616,-1.75) 47(-4.616,-2.25) 48(-4.616,-2.75)
  Top Layer lines w0.254: -0.25,-4.616 -0.25,-4.616 ; 4.616,0.75 4.616,0.75
  silkscreen extent -3.81,-3.81 3.81,3.81, body extent -4.62,-4.62 4.62,4.62, height 1.53
r-0805 [mm] "Chip Resistor, 2-Leads, Body 2.0x1.3mm, IPC Medium Density"
  rect 0.9x1.35 smd: 1(-1.05,0) 2(1.05,0)
  silkscreen extent -0.38,-0.58 0.38,0.58, body extent -1,-0.63 1,0.63, height 0.5
R-0805 [mm] "Chip Resistor, 2-Leads, Body 2.0x1.3mm, IPC Medium Density"
  rect 0.9x1.35 smd: 1(-1.05,0) 2(1.05,0)
  silkscreen extent -0.38,-0.58 0.38,0.58, body extent -1,-0.63 1,0.63, height 0.5
SK-DIP14-300 [mm] "Length 750mil - Width 320mil"
  rect 1.7x2.2 hole 1: 1(-7.62,-3.81)
  oval 1.7x2.2 hole 1: 2(-5.08,-3.81) 3(-2.54,-3.81) 4(0,-3.81) 5(2.54,-3.81) 6(5.08,-3.81) 7(7.62,-3.81) 8(7.62,3.81) 9(5.08,3.81) 10(2.54,3.81) 11(0,3.81) 12(-2.54,3.81) 13(-5.08,3.81) 14(-7.62,3.81)
  silkscreen extent -9.14,-5.46 9.27,5.46, body extent -9.84,-5.08 9.85,5.08, height 8.57
sop-18 [mm] "SOIC-18 PIN, 0.5mm (1.27)"
  oval 2x0.6 smd: 1(0,0) 2(0,-1.27) 3(0,-2.54) 4(0,-3.81) 5(0,-5.08) 6(0,-6.35) 7(0,-7.62) 8(0,-8.89) 9(0,-10.16) 10(9.652,-10.16) 11(9.652,-8.89) 12(9.652,-7.62) 13(9.652,-6.35) 14(9.652,-5.08) 15(9.652,-3.81) 16(9.652,-2.54) 17(9.652,-1.27) 18(9.652,0)
  silkscreen extent 1.52,-10.82 8.13,0.64
SOT23-321 [mm]
  rect 0.9x0.95 smd mask+0: 1(0.95,-1.25)
  rect 0.9x0.95 smd: 2(0,1.25) 3(-0.95,-1.25)
  silkscreen extent -1.3,-0.38 1.3,1.25, body extent -1.52,-1.23 1.48,1.27, height 1.06
sot223 [mm]
  rect 1x2.4 smd: 1(-2.3,-2.9) 2(0,-2.9) 3(2.3,-2.9)
  rect 3.3x2.4 smd: 4(0,2.9)
  silkscreen extent -3.47,-3.02 3.35,1.4, body extent -3.25,-3.56 3.25,3.4, height 1.68
SRF-05 [mm]
  rect 1.7x2.5 hole 1: 1(0,0)
  oval 1.7x2.5 hole 1: 2(2.54,0) 3(5.08,0) 4(7.62,0) 5(10.16,0)
  silkscreen extent -3.81,-3.3 13.34,3.3, body extent -16.42,-15.75 26.58,3.3, height 26.13
sw2 [mil] "SW button 2pin, 250x 250 mil"
  round 75 hole 31: 1(0,0) 2(200,0)
  silkscreen extent -25,-125 225,125, body extent -46,-125 265,119, height 276
SW2 [mil] "SW button 2pin, 250x 250 mil"
  round 75 hole 31: 1(0,0) 2(200,0)
  silkscreen extent -25,-125 225,125, body extent -46,-125 265,119, height 276
SW-DIP1SMD [mm]
  rect 1x0.5 smd: 1(0.254,0) 2(0.254,-2.5) 3(0.254,-5) 4(6.68,-5) 5(6.68,-2.5) 6(6.68,0)
  silkscreen extent 1.32,-5.61 5.61,0.48
sW-DIP1SMD [mm]
  rect 1x0.5 smd: 1(0.254,0) 2(0.254,-2.5) 3(0.254,-5) 4(6.68,-5) 5(6.68,-2.5) 6(6.68,0)
  silkscreen extent 1.32,-5.61 5.61,0.48
sw-dip2 [mm] "02p, 2.54mm Pitch, Horizontal, Box Type, THT, flat Actuator, red, without Tape, Tube"
  rect 1.3x1.3 hole 0.8: 1(-1.27,-3.81)
  round 1.3 hole 0.8: 2(1.27,-3.81) 3(1.27,3.81) 4(-1.27,3.81)
  silkscreen extent -3.04,-4.8 3.04,4.8, body extent -3.04,-4.7 3.04,4.9, height 5.4
SW-DIP4 [mm] "04p, 2.54mm Pitch, Horizontal, Box Type, THT, flat Actuator, red, without Tape, Tube"
  rect 1.3x1.3 hole 0.8: 1(-3.81,-3.81)
  round 1.3 hole 0.8: 2(-1.27,-3.81) 3(1.27,-3.81) 4(3.81,-3.81) 5(3.81,3.81) 6(1.27,3.81) 7(-1.27,3.81) 8(-3.81,3.81)
  silkscreen extent -5.58,-4.8 5.58,4.8, body extent -5.58,-4.8 5.58,4.8, height 5.4
SW-ENCODER [mm] "SW-ENCODER"
  oval 3x4 hole 2.2: 0(-6.25,7.5) 0(6.25,7.5)
  oval 1.778x2.54 hole 1: 1(-2.5,0) 2(0,0) 3(2.5,0) 4(2.5,14.5) 5(-2.5,14.5)
  silkscreen extent -6.73,0 6.86,14.48
TO-220-2PC [mm]
  rect 1.8x2.8 hole 1.2: 1(-2.54,-2.984)
  oval 1.8x2.8 hole 1.2: 2(0,-2.984) 3(2.54,-2.984)
  round 4 hole 3: 2(0,2.984)
  silkscreen extent -7.62,-5.1 7.62,5.97, body extent -7.55,-5.1 7.45,5.9, height 21.65
TQFP100L [mm] "TQFP, 100-Leads, Body 14.00x14.00mm, Pitch 0.50mm, IPC High Density"
  oval 1.2x0.25 smd: 1(-7.6,6) 2(-7.6,5.5) 3(-7.6,5) 4(-7.6,4.5) 5(-7.6,4) 6(-7.6,3.5) 7(-7.6,3) 8(-7.6,2.5) 9(-7.6,2) 10(-7.6,1.5) 11(-7.6,1) 12(-7.6,0.5) 13(-7.6,0) 14(-7.6,-0.5) 15(-7.6,-1) 16(-7.6,-1.5) 17(-7.6,-2) 18(-7.6,-2.5) 19(-7.6,-3) 20(-7.6,-3.5) 21(-7.6,-4) 22(-7.6,-4.5) 23(-7.6,-5) 24(-7.6,-5.5) 25(-7.6,-6) 51(7.6,-6) 52(7.6,-5.5) 53(7.6,-5) 54(7.6,-4.5) 55(7.6,-4) 56(7.6,-3.5) 57(7.6,-3) 58(7.6,-2.5) 59(7.6,-2) 60(7.6,-1.5) 61(7.6,-1) 62(7.6,-0.5) 63(7.6,0) 64(7.6,0.5) 65(7.6,1) 66(7.6,1.5) 67(7.6,2) 68(7.6,2.5) 69(7.6,3) 70(7.6,3.5) 71(7.6,4) 72(7.6,4.5) 73(7.6,5) 74(7.6,5.5) 75(7.6,6)
  oval 0.25x1.2 smd: 26(-6,-7.6) 27(-5.5,-7.6) 28(-5,-7.6) 29(-4.5,-7.6) 30(-4,-7.6) 31(-3.5,-7.6) 32(-3,-7.6) 33(-2.5,-7.6) 34(-2,-7.6) 35(-1.5,-7.6) 36(-1,-7.6) 37(-0.5,-7.6) 38(0,-7.6) 39(0.5,-7.6) 40(1,-7.6) 41(1.5,-7.6) 42(2,-7.6) 43(2.5,-7.6) 44(3,-7.6) 45(3.5,-7.6) 46(4,-7.6) 47(4.5,-7.6) 48(5,-7.6) 49(5.5,-7.6) 50(6,-7.6) 76(6,7.6) 77(5.5,7.6) 78(5,7.6) 79(4.5,7.6) 80(4,7.6) 81(3.5,7.6) 82(3,7.6) 83(2.5,7.6) 84(2,7.6) 85(1.5,7.6) 86(1,7.6) 87(0.5,7.6) 88(0,7.6) 89(-0.5,7.6) 90(-1,7.6) 91(-1.5,7.6) 92(-2,7.6) 93(-2.5,7.6) 94(-3,7.6) 95(-3.5,7.6) 96(-4,7.6) 97(-4.5,7.6) 98(-5,7.6) 99(-5.5,7.6) 100(-6,7.6)
  silkscreen extent -7.72,-6.6 6.6,6.8, body extent -8,-8 8,8, height 1.2
VR1 [mil] "Variable Resistor"
  rect 65x90 hole 30: 1(0,0)
  oval 65x90 hole 30: 2(100,0) 3(200,0)
  silkscreen extent -100,-100 301,100, body extent -87,-94 289,96, height 455
xt5032 [mm] "SMD  50-32 mm - Footpin for Crystal 4 pin"
  rect 1.6x1.25 smd: 1(-1.952,-0.922) 2(1.952,-0.922) 3(1.952,0.922) 4(-1.952,0.922)
  silkscreen extent -2.51,-1.61 2.54,1.62
XTAL-RU49/4 [mm]
  rect 4x1.2 smd: 1(-0.762,0) 2(10.668,0)
  silkscreen extent -0.89,-2.29 10.8,2.41, body extent -1.2,-2.22 11.1,2.48, height 4.3